# Altium PCB ac_rc_unit_VER1.PcbDoc (part 1 of 2)
Units mm, origin at the board's own origin, x right, y up, seen from the top; angles counter-clockwise.
Board outline 100 x 100 mm, 4 copper layers (L1, L2, L3, L4), stack 1.525 mm thick; 123 components, 90 nets, 447 pads, 211 vias.
Unrouted connection lines stored in the file: 92.
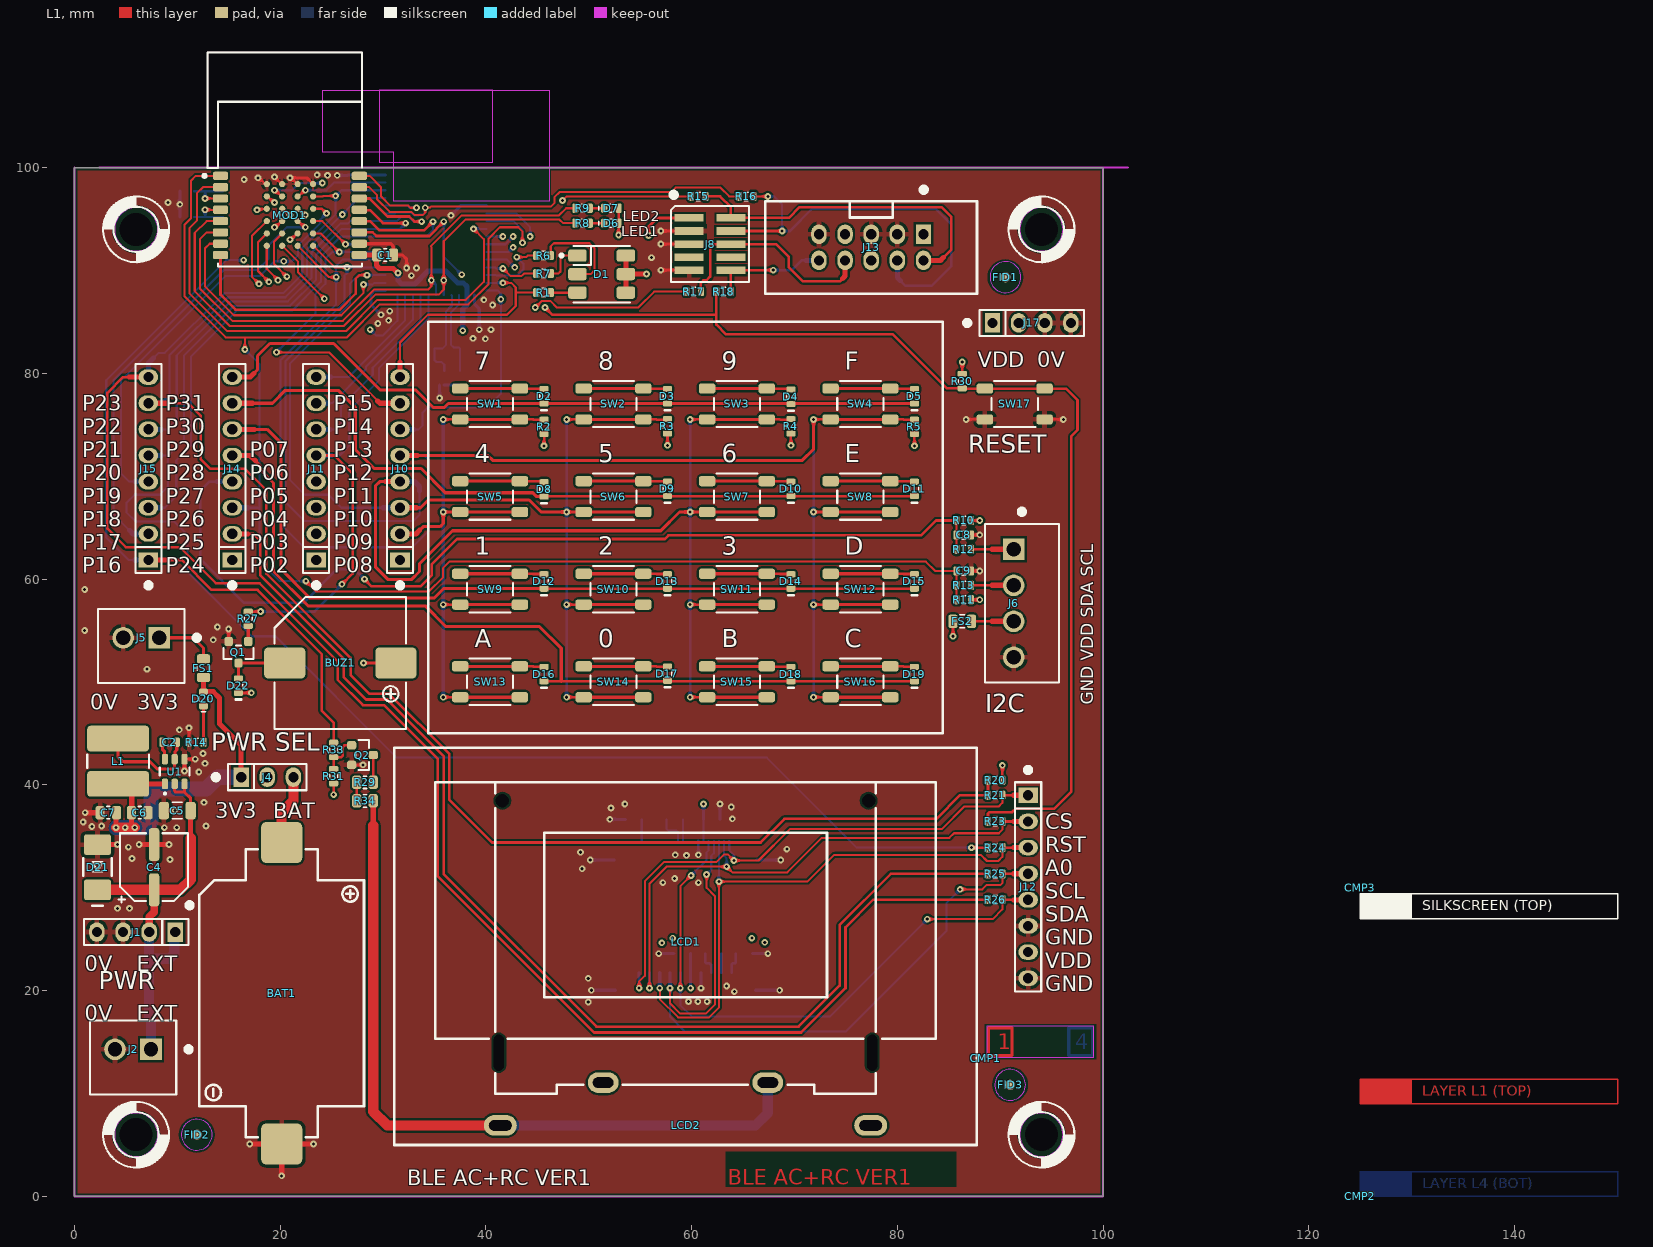
[diagram p0: L1 view]
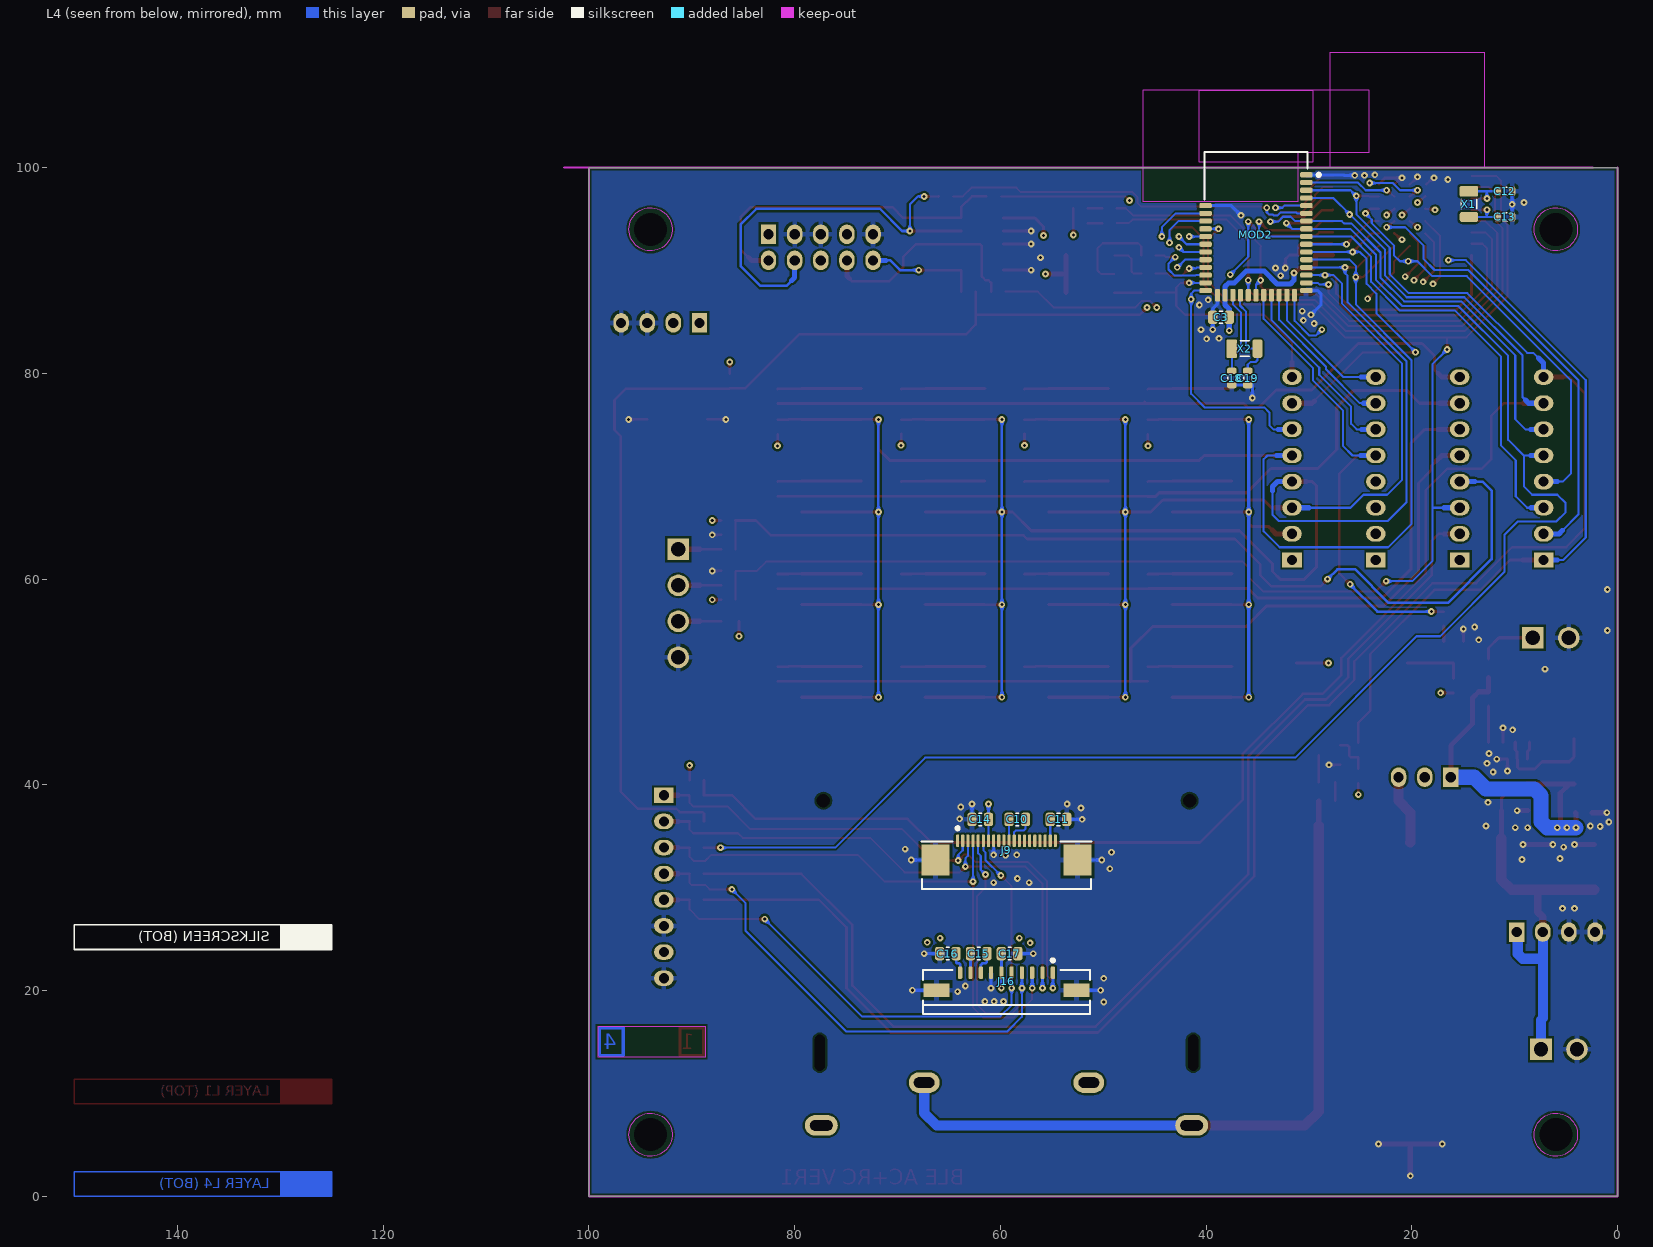
[diagram p1: L4 view, seen from below]
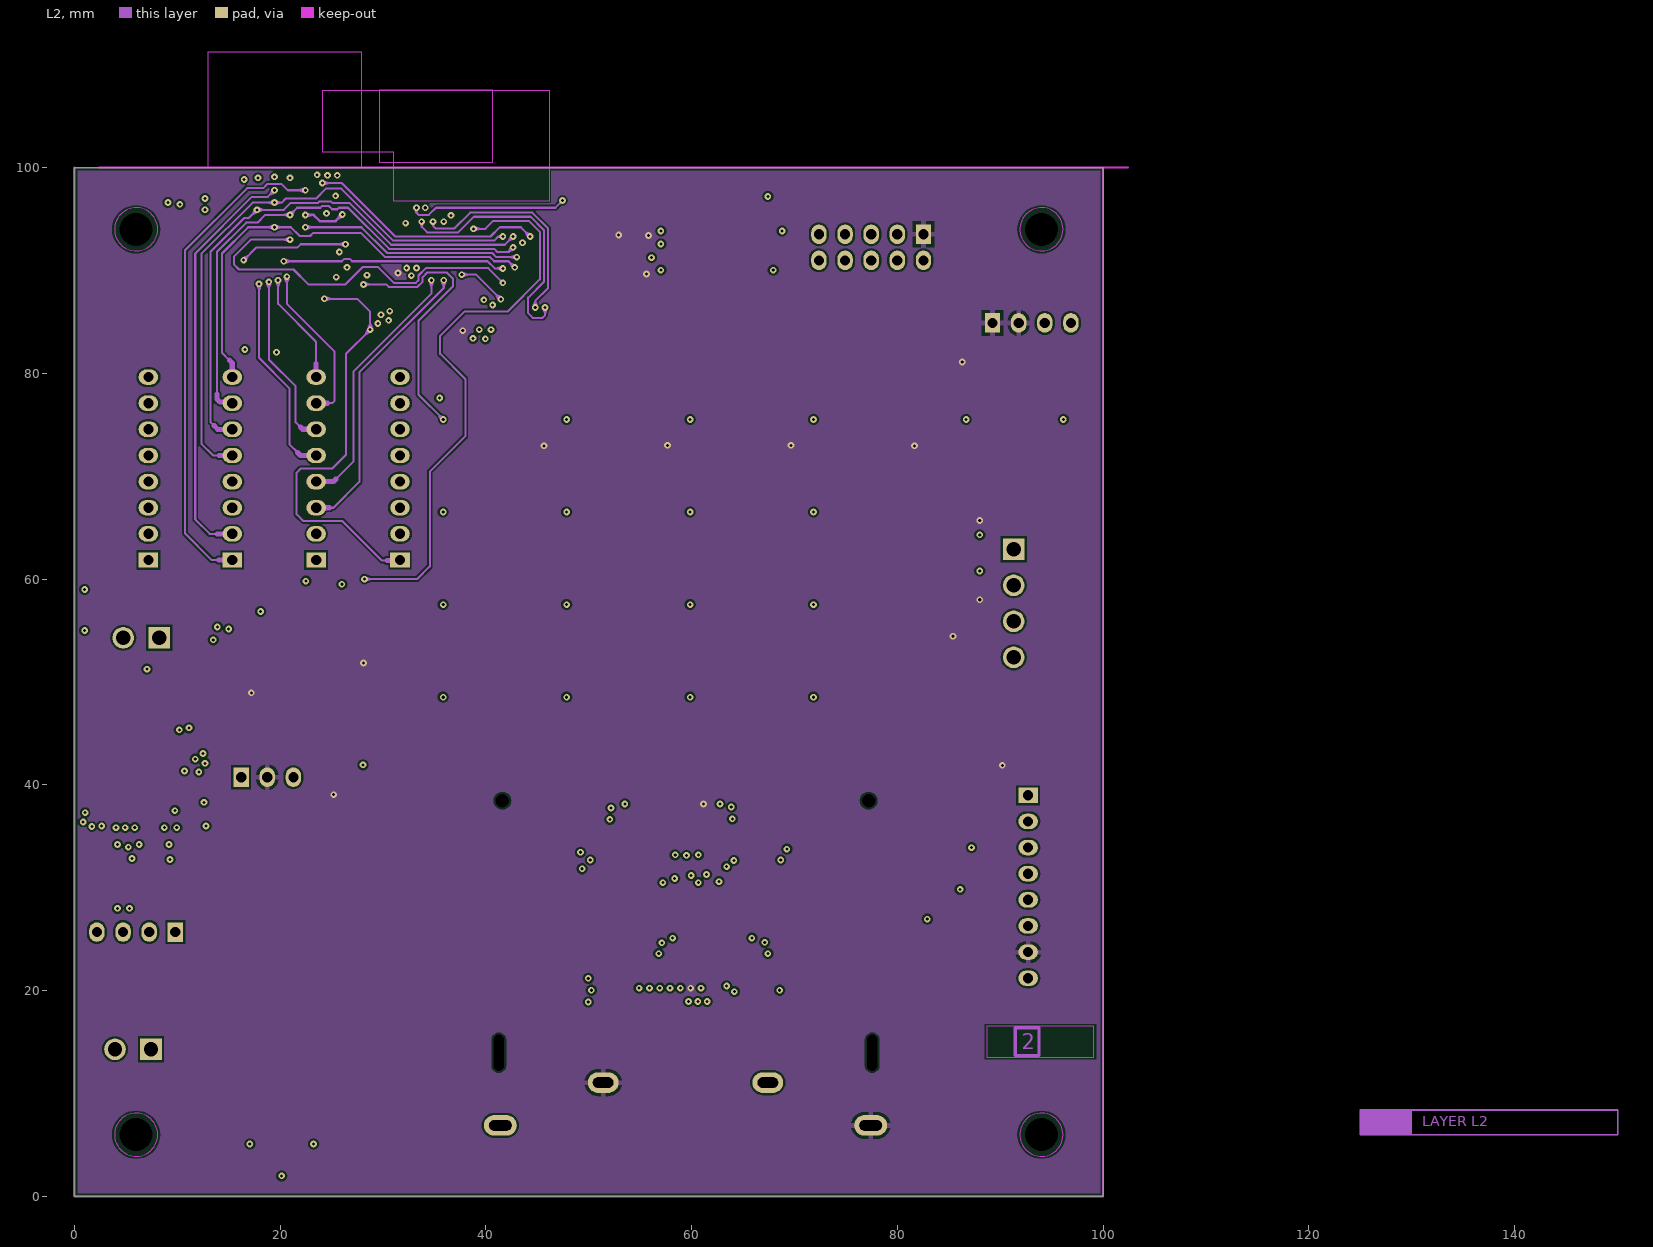
[diagram p2: L2]
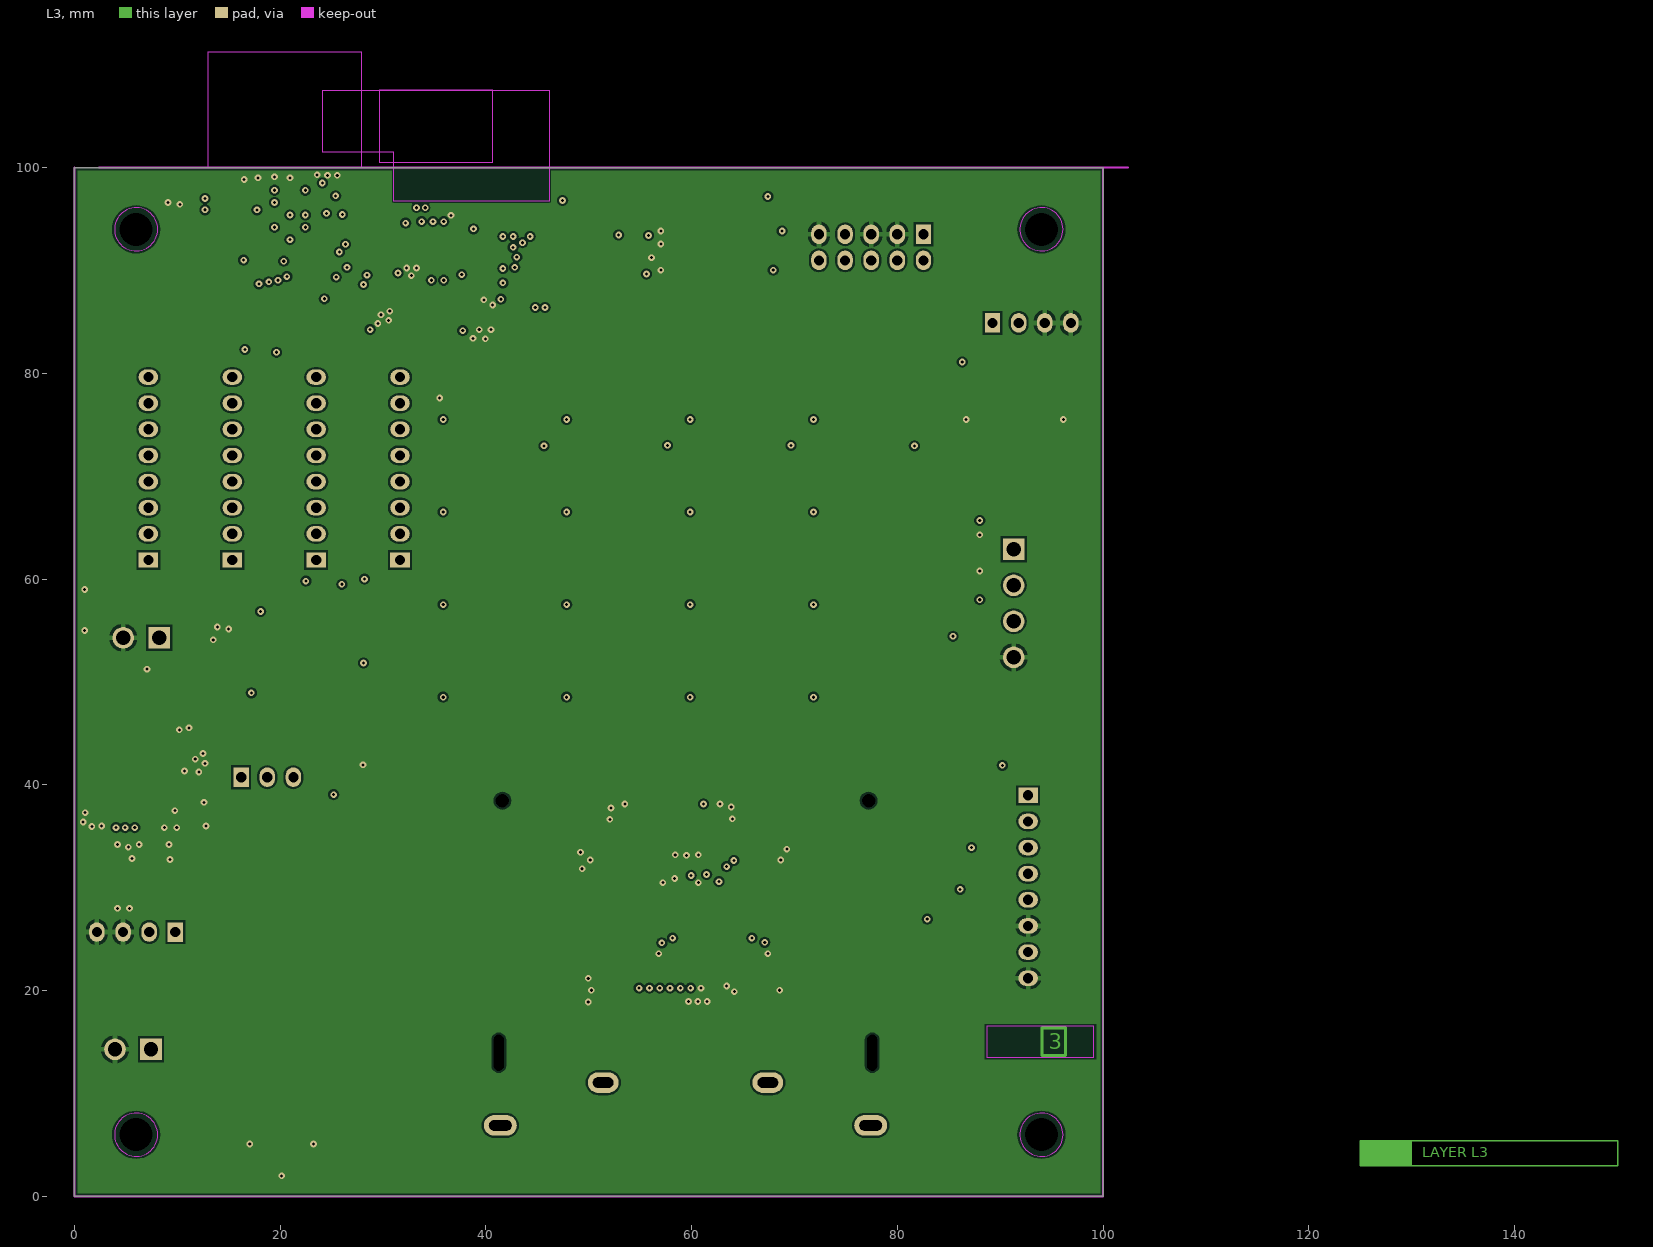
[diagram p3: L3]
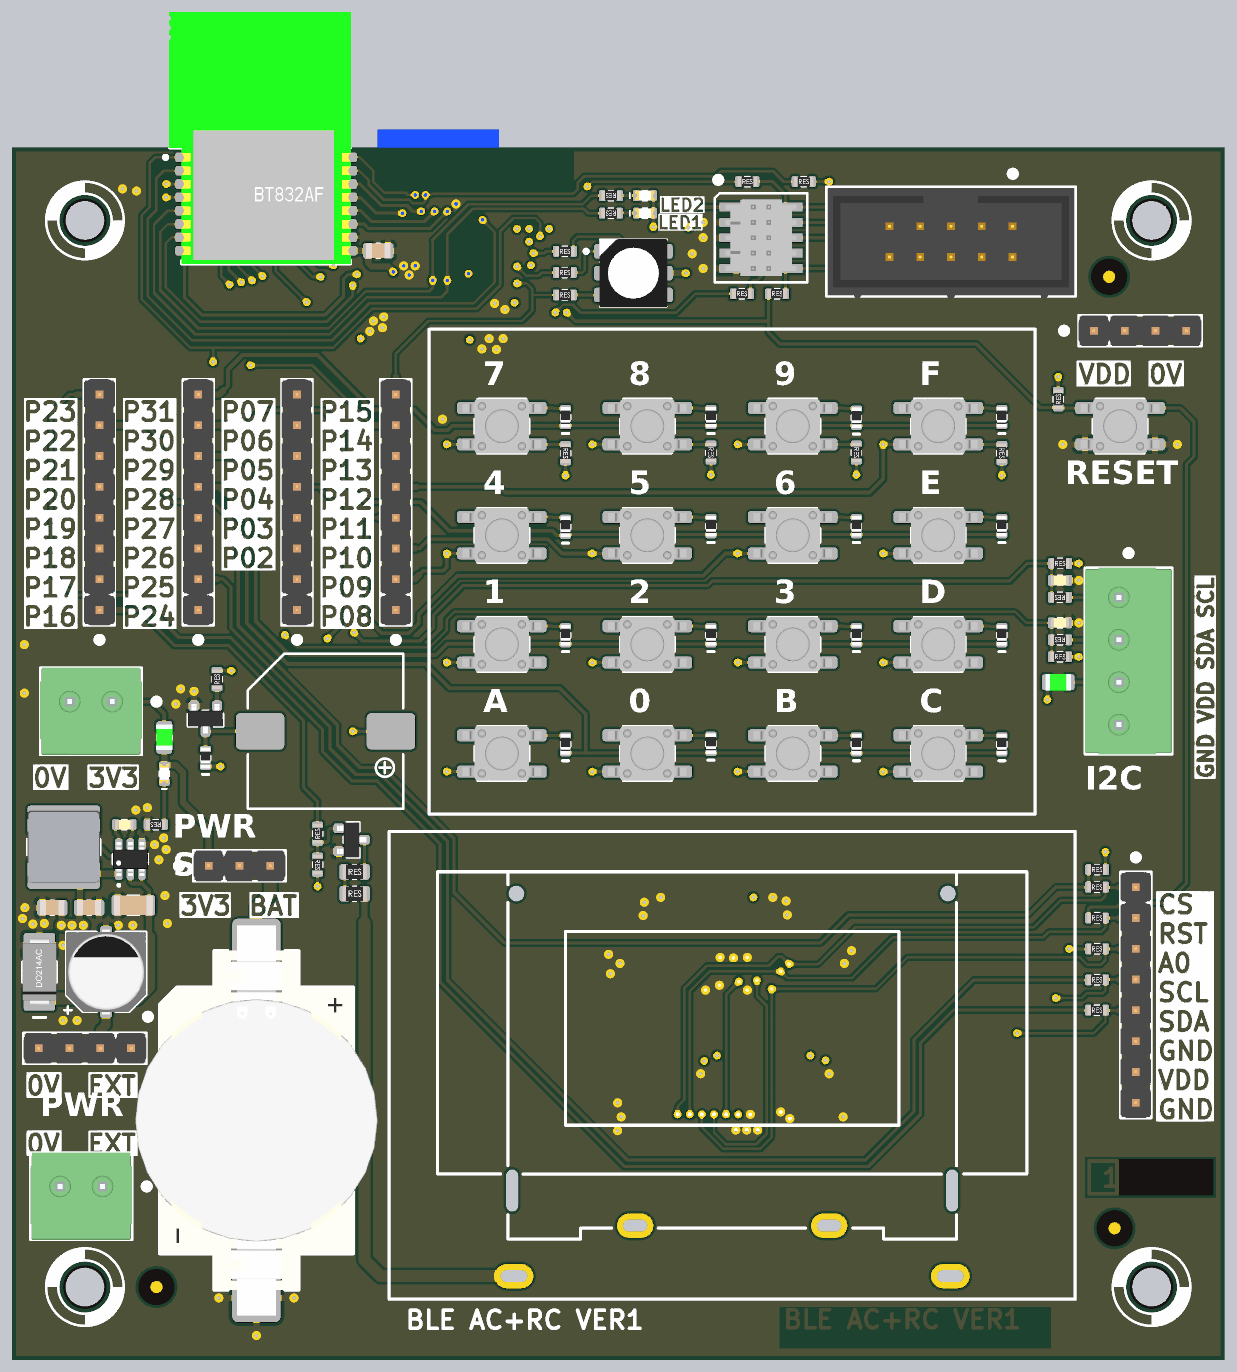
[diagram p5: 3D render of the assembled board from above, using the file's embedded part models]
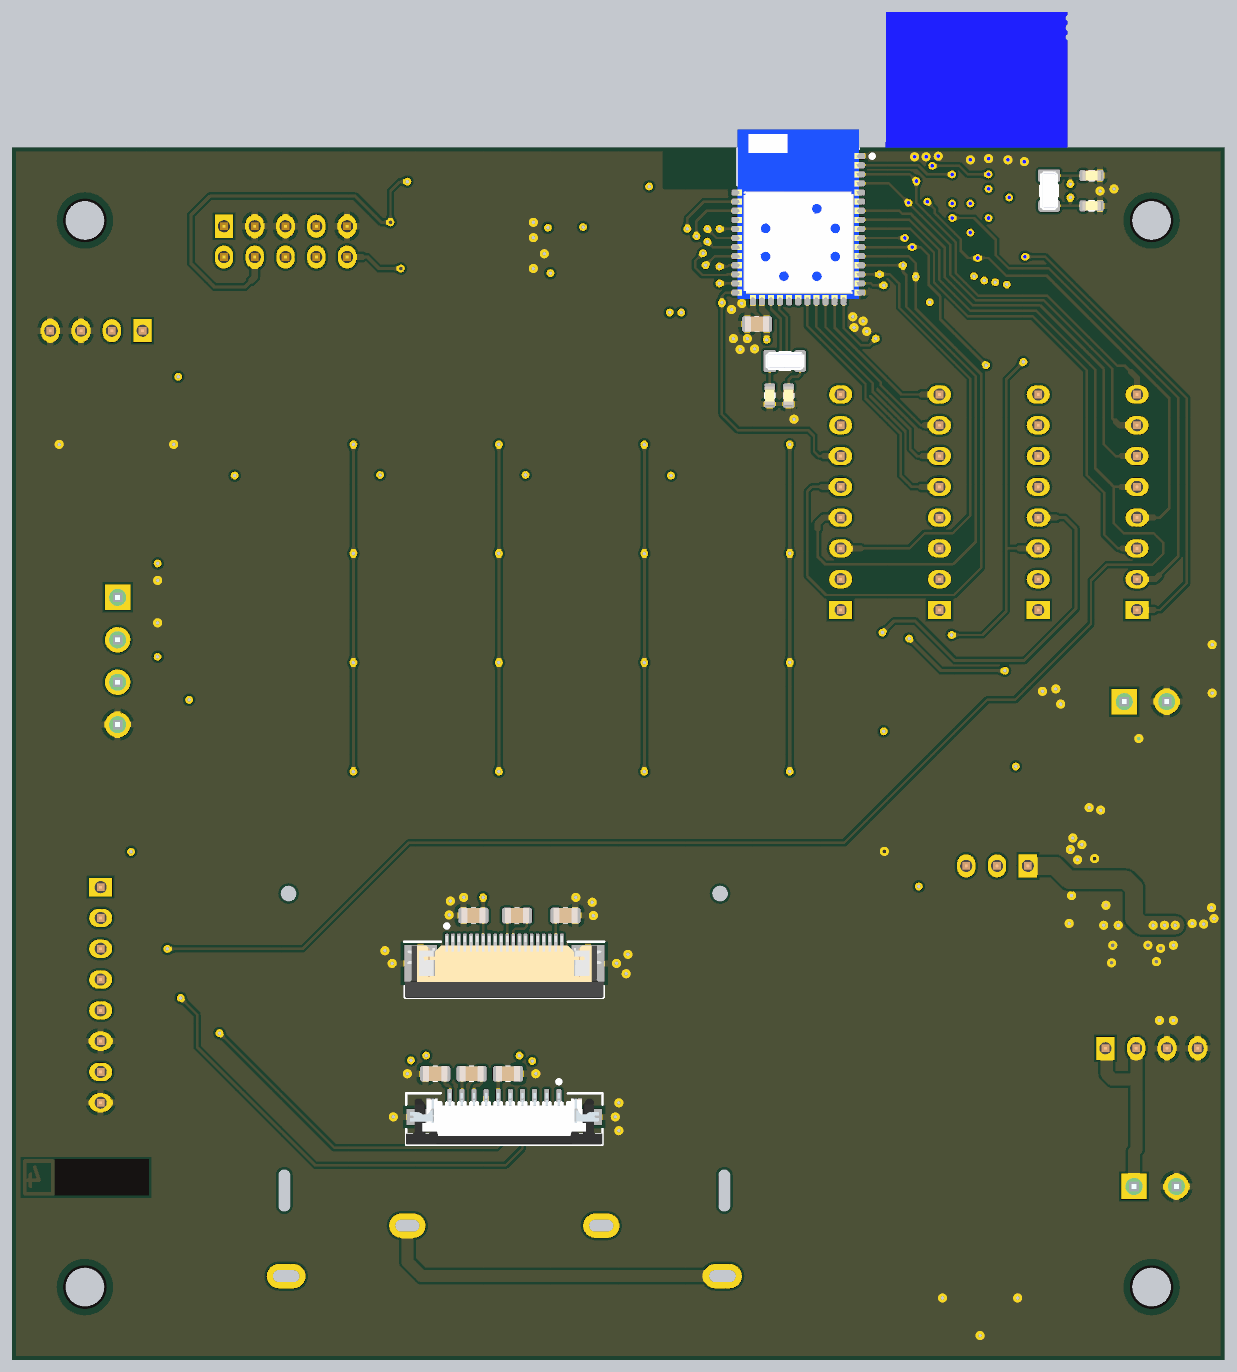
[diagram p6: 3D render of the assembled board from below, using the file's embedded part models]

## Layer stack, top to bottom
Solder [TOP]: solder mask 0.01, Solder Resist, Dk 3.5
L1: signal copper 0.035
prepreg #1: dielectric 0.21, FR-4, Dk 4.2
L2: signal copper 0.0175
Core: dielectric 1, FR-4, Dk 4.2
L3: signal copper 0.0175
prepreg #2: dielectric 0.21, FR-4, Dk 4.2
L4: signal copper 0.035
Solder [BOT]: solder mask 0.01, Solder Resist, Dk 3.5

## Board outline
0,0 0,100 100,100 100,0

## Design rules (kind name [scope] priority, off if disabled: settings)
AcuteAngle [All] p1: minimum=6.00000000000000E+0001 checktracksonly=FALSE
BoardOutlineClearance [not (InComponent('MOD1') or InComponent('MOD2') or InComponent('CMP2') or InComponent('CMP3'))] p1: gap=0.3 ignorepadtopadclearanceinfootprint=FALSE
Clearance Clearance_CMP1 [InComponent('CMP1')] p1: gap=0 ignorepadtopadclearanceinfootprint=FALSE
Clearance [All] p2: gap=0.2 ignorepadtopadclearanceinfootprint=FALSE
HoleSize [All] p1: absolutevalues=TRUE maxlimit=5 minlimit=0.25 maxpercent=80.000 minpercent=20.000
HoleToHoleClearance [All] p1: gap=0.4 allowstackedmicrovias=TRUE
MinimumAnnularRing [All] p1: minimumring=0.15
MinimumSolderMaskSliver [All] p1: minsoldermaskwidth=0.075
PlaneClearance [All] p1: clearance=0.5
PlaneConnect PlaneConnect_via [IsVia] p1: planeconnectstyle=Direct reliefexpansion=0.508 reliefentries=4 reliefconductorwidth=0.254 reliefairgap=0.254
PlaneConnect [All] p2: planeconnectstyle=Relief reliefexpansion=0.3 reliefentries=4 reliefconductorwidth=0.25 reliefairgap=0.3
PolygonConnect PolygonConnect_MOD [InComponent('MOD1')] p1: thpad.connectstyle=Relief thpad.reliefconductorwidth=0.254 thpad.reliefentries=4 thpad.polygonreliefangle="90 Angle" thpad.airgapwidth=0.254 smdpad.connectstyle=Relief smdpad.reliefconductorwidth=0.25 smdpad.reliefentries=4 smdpad.polygonreliefangle="90 Angle" smdpad.airgapwidth=0.25 via.connectstyle=Relief via.reliefconductorwidth=0.254 via.reliefentries=4 via.polygonreliefangle="90 Angle" via.airgapwidth=0.254
PolygonConnect PolygonConnect_via [All vs IsVia] p2: connectstyle=Direct reliefconductorwidth=0.254 reliefentries=4 polygonreliefangle="90 Angle" airgapwidth=0.254
PolygonConnect PolygonConnect_GND [IsPoly] p3: connectstyle=Relief reliefconductorwidth=0.5 reliefentries=4 polygonreliefangle="90 Angle" airgapwidth=0.3
PolygonConnect [All] p4: connectstyle=Relief reliefconductorwidth=0.25 reliefentries=4 polygonreliefangle="90 Angle" airgapwidth=0.3
RoutingVias [All] p1: holewidth=0.3 width=0.65 viastyle="Through Hole" minholewidth=0.25 minwidth=0.55 maxholewidth=0.4 maxwidth=0.8
SMDEntry [All] p1: side=TRUE corner=TRUE anyangle=FALSE
SilkToSilkClearance [All] p1: silktosilkclearance=0.1
SilkToSolderMaskClearance [IsPad] p1: minsilkscreentomaskgap=0.1 clearancetoexposedcopper=TRUE
SolderMaskExpansion SolderMaskExpansion_via [IsVia] p1: expansion=-10
SolderMaskExpansion [All] p2: expansion=0.05
Width [All] p1: maxlimit=3 minlimit=0.102 preferedwidth=0.152 checkconnectedcopper=TRUE
23 further rules are at their usual default settings.

## Classes and differential pairs
net class SWD: BLE_P0.18/SWO BLE_P0.21/nRESET SWDCLK SWDIO
net class RGB: BLE_P0.15/RGB_R BLE_P0.17/RGB_G BLE_P0.19/RGB_B
net class UART: BLE_P0.05/RTS BLE_P0.06/TX BLE_P0.07/CTS BLE_P0.08/RX
net class KEYPAD: BLE_P0.09/COL0 BLE_P0.10/COL1 BLE_P0.11/COL2 BLE_P0.12/COL3 BLE_P0.28/ROW0 BLE_P0.29/ROW1 BLE_P0.30/ROW2 BLE_P0.31/ROW3
net class LCD: LCD_A0 LCD_nRES LCD_SCL NetC10_1 NetC10_2 NetC11_1
differential pair class CML: TXO0 TXO1 TXOUT0 TXOUT1
differential pair class LVDS: LVDS_CLK LVDS_IN0 LVDS_IN1 LVDS_IN2 LVDS_IN3 LVDS_IN4
net class I2C: BLE_P0.26/SDA BLE_P0.27/SCL
net class PWR: BAT GND P3V3 VDD VEXT
net class GPIO: BLE_P0.02/LED1 BLE_P0.03/LED2 BLE_P0.04/BUZ BLE_P0.05/RTS BLE_P0.06/TX BLE_P0.07/CTS BLE_P0.08/RX BLE_P0.09/COL0 BLE_P0.10/COL1 BLE_P0.11/COL2 BLE_P0.12/COL3 BLE_P0.13 BLE_P0.14 BLE_P0.15/RGB_R BLE_P0.16/LCD_BKL BLE_P0.17/RGB_G BLE_P0.18/SWO BLE_P0.19/RGB_B BLE_P0.20/LCD_A0 BLE_P0.21/nRESET BLE_P0.22/LCD_nCS BLE_P0.23/MOSI BLE_P0.24/MISO BLE_P0.25/SCLK BLE_P0.26/SDA BLE_P0.27/SCL BLE_P0.28/ROW0 BLE_P0.29/ROW1 BLE_P0.30/ROW2 BLE_P0.31/ROW3
net class SPI: BLE_P0.23/MOSI BLE_P0.24/MISO BLE_P0.25/SCLK
